# Altium PCB Gesturelink V1.PcbDoc (part 3 of 9)
Units mil, origin at the board's own origin, x right, y up, seen from the top; angles counter-clockwise.
Board outline 1574.8 x 1377.95 mil, 12 copper layers (SIG_1, GND_1, HI_SPEED_SIG_1, HI_SPEED_SIG_2, GND_2, PWR_1, PWR_2, GND_3, SIG_2, SIG_3, GND, SIG_4), stack 76.312 mil thick; 506 components, 440 nets, 2250 pads, 1330 vias.
Unrouted connection lines stored in the file: 20.
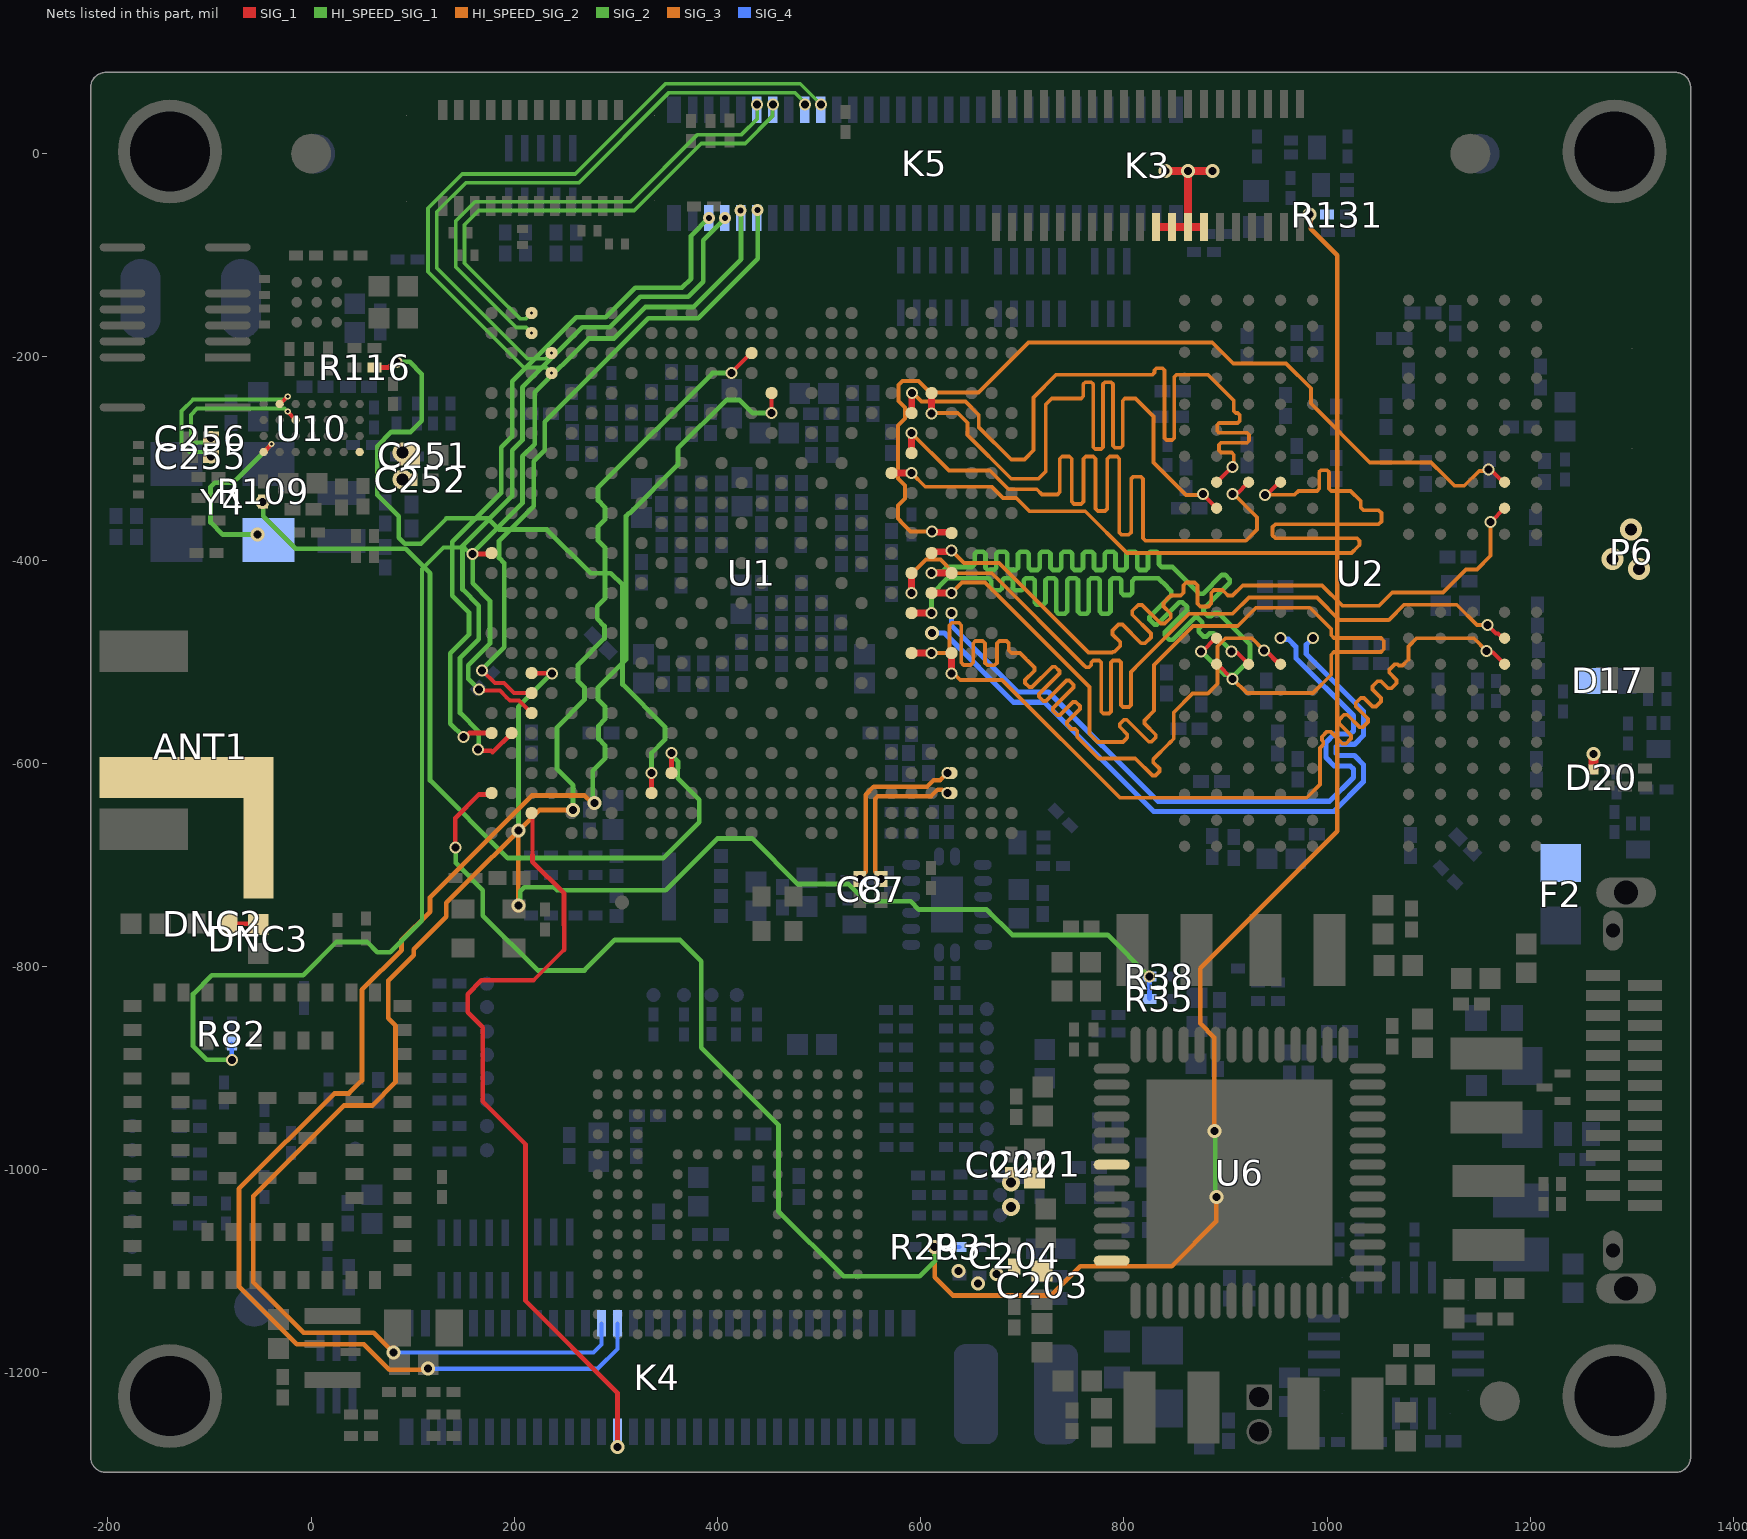
[diagram p13: the nets of this part, all layers, seen from the top]

## Footprints (in the part's own frame and the unit in brackets; to place one, negate y for a bottom-side part, rotate by r counter-clockwise, add the part's x,y. Pads: shape width x height; smd on the part's side, far side on the other; paste and mask are expansions set on the pad) (continued)
STM32MP257FAK3 [mm]
  round 0.31 smd: A1(-6.5,6.5) A2(-6,6.5) A3(-5.5,6.5) A6(-4,6.5) A7(-3.5,6.5) A10(-2,6.5) A11(-1.5,6.5) A14(0,6.5) A15(0.5,6.5) A18(2,6.5) A19(2.5,6.5) A22(4,6.5) A23(4.5,6.5) A26(6,6.5) A27(6.5,6.5) AA1(-6.5,-3.5) AA2(-6,-3.5) AA3(-5.5,-3.5) AA5(-4.5,-3.5) AA7(-3.5,-3.5) AA9(-2.5,-3.5) AA11(-1.5,-3.5) AA13(-0.5,-3.5) AA15(0.5,-3.5) AA17(1.5,-3.5) AA19(2.5,-3.5) AA21(3.5,-3.5) AA23(4.5,-3.5) AA25(5.5,-3.5) AA26(6,-3.5) AAA1(-2.75,2.75) AAA3(-1.75,2.75) AAA5(-0.75,2.75) AAA7(0.25,2.75) AAA9(1.25,2.75) AAA11(2.25,2.75) AAB2(-2.25,2.25) AAB4(-1.25,2.25) AAB6(-0.25,2.25) AAB8(0.75,2.25) AAB10(1.75,2.25) AAB12(2.75,2.25) AAC1(-2.75,1.75) AAC3(-1.75,1.75) AAC5(-0.75,1.75) AAC7(0.25,1.75) AAC9(1.25,1.75) AAC11(2.25,1.75) AAD2(-2.25,1.25) AAD4(-1.25,1.25) AAD6(-0.25,1.25) AAD8(0.75,1.25) AAD10(1.75,1.25) AAD12(2.75,1.25) AAE1(-2.75,0.75) AAE3(-1.75,0.75) AAE5(-0.75,0.75) AAE7(0.25,0.75) AAE9(1.25,0.75) AAE11(2.25,0.75) AAF2(-2.25,0.25) AAF4(-1.25,0.25) AAF6(-0.25,0.25) AAF8(0.75,0.25) AAF10(1.75,0.25) AAF12(2.75,0.25) AAG1(-2.75,-0.25) AAG3(-1.75,-0.25) AAG5(-0.75,-0.25) AAG7(0.25,-0.25) AAG9(1.25,-0.25) AAG11(2.25,-0.25) AAH2(-2.25,-0.75) AAH4(-1.25,-0.75) AAH6(-0.25,-0.75) AAH8(0.75,-0.75) AAH10(1.75,-0.75) AAH12(2.75,-0.75) AAJ1(-2.75,-1.25) AAJ3(-1.75,-1.25) AAJ5(-0.75,-1.25) AAJ7(0.25,-1.25) AAJ9(1.25,-1.25) AAJ11(2.25,-1.25) AAK2(-2.25,-1.75) AAK4(-1.25,-1.75) AAK6(-0.25,-1.75) AAK8(0.75,-1.75) AAK10(1.75,-1.75) AAK12(2.75,-1.75) AAL1(-2.75,-2.25) AAL3(-1.75,-2.25) AAL5(-0.75,-2.25) AAL7(0.25,-2.25) AAL9(1.25,-2.25) AAL11(2.25,-2.25) AAM2(-2.25,-2.75) AAM4(-1.25,-2.75) AAM6(-0.25,-2.75) AAM8(0.75,-2.75) AAM10(1.75,-2.75) AAM12(2.75,-2.75) AB1(-6.5,-4) AB2(-6,-4) AB3(-5.5,-4) AB4(-5,-4) AB6(-4,-4) AB8(-3,-4) AB10(-2,-4) AB12(-1,-4) AB14(0,-4) AB16(1,-4) AB18(2,-4) AB20(3,-4) AB22(4,-4) AB24(5,-4) AB25(5.5,-4) AB26(6,-4) AB27(6.5,-4) AC2(-6,-4.5) AC3(-5.5,-4.5) AC5(-4.5,-4.5) AC7(-3.5,-4.5) AC9(-2.5,-4.5) AC11(-1.5,-4.5) AC13(-0.5,-4.5) AC15(0.5,-4.5) AC17(1.5,-4.5) AC19(2.5,-4.5) AC21(3.5,-4.5) AC23(4.5,-4.5) AC25(5.5,-4.5) AC26(6,-4.5) AC27(6.5,-4.5) AD3(-5.5,-5) AD4(-5,-5) AD6(-4,-5) AD8(-3,-5) AD10(-2,-5) AD12(-1,-5) AD14(0,-5) AD16(1,-5) AD18(2,-5) AD20(3,-5) AD22(4,-5) AD24(5,-5) AD25(5.5,-5) AE1(-6.5,-5.5) AE2(-6,-5.5) AE3(-5.5,-5.5) AE4(-5,-5.5) AE5(-4.5,-5.5) AE6(-4,-5.5) AE7(-3.5,-5.5) AE8(-3,-5.5) AE9(-2.5,-5.5) AE10(-2,-5.5) AE11(-1.5,-5.5) AE12(-1,-5.5) AE13(-0.5,-5.5) AE14(0,-5.5) AE15(0.5,-5.5) AE16(1,-5.5) AE17(1.5,-5.5) AE18(2,-5.5) AE19(2.5,-5.5) AE20(3,-5.5) AE21(3.5,-5.5) AE22(4,-5.5) AE23(4.5,-5.5) AE24(5,-5.5) AE25(5.5,-5.5) AE26(6,-5.5) AF1(-6.5,-6) AF2(-6,-6) AF3(-5.5,-6) AF5(-4.5,-6) AF6(-4,-6) AF7(-3.5,-6) AF9(-2.5,-6) AF10(-2,-6) AF11(-1.5,-6) AF13(-0.5,-6) AF14(0,-6) AF15(0.5,-6) AF17(1.5,-6) AF18(2,-6) AF19(2.5,-6) AF21(3.5,-6) AF22(4,-6) AF23(4.5,-6) AF25(5.5,-6) AF26(6,-6) AF27(6.5,-6) AG1(-6.5,-6.5) AG2(-6,-6.5) AG5(-4.5,-6.5) AG6(-4,-6.5) AG9(-2.5,-6.5) AG10(-2,-6.5) AG13(-0.5,-6.5) AG14(0,-6.5) AG17(1.5,-6.5) AG18(2,-6.5) AG21(3.5,-6.5) AG22(4,-6.5) AG25(5.5,-6.5) AG26(6,-6.5) AG27(6.5,-6.5) B1(-6.5,6) B2(-6,6) B3(-5.5,6) B5(-4.5,6) B6(-4,6) B7(-3.5,6) B9(-2.5,6) B10(-2,6) B11(-1.5,6) B13(-0.5,6) B14(0,6) B15(0.5,6) B17(1.5,6) B18(2,6) B19(2.5,6) B21(3.5,6) B22(4,6) B23(4.5,6) B25(5.5,6) B26(6,6) B27(6.5,6) C2(-6,5.5) C3(-5.5,5.5) C4(-5,5.5) C5(-4.5,5.5) C6(-4,5.5) C7(-3.5,5.5) C8(-3,5.5) C9(-2.5,5.5) C10(-2,5.5) C11(-1.5,5.5) C12(-1,5.5) C13(-0.5,5.5) C14(0,5.5) C15(0.5,5.5) C16(1,5.5) C17(1.5,5.5) C18(2,5.5) C19(2.5,5.5) C20(3,5.5) C21(3.5,5.5) C22(4,5.5) C23(4.5,5.5) C24(5,5.5) C25(5.5,5.5) C26(6,5.5) C27(6.5,5.5) D3(-5.5,5) D4(-5,5) D6(-4,5) D8(-3,5) D10(-2,5) D12(-1,5) D14(0,5) D16(1,5) D18(2,5) D20(3,5) D22(4,5) D24(5,5) D25(5.5,5) E1(-6.5,4.5) E2(-6,4.5) E3(-5.5,4.5) E5(-4.5,4.5) E7(-3.5,4.5) E9(-2.5,4.5) E11(-1.5,4.5) E13(-0.5,4.5) E15(0.5,4.5) E17(1.5,4.5) E19(2.5,4.5) E21(3.5,4.5) E23(4.5,4.5) E25(5.5,4.5) E26(6,4.5) F1(-6.5,4) F2(-6,4) F3(-5.5,4) F4(-5,4) F6(-4,4) F8(-3,4) F10(-2,4) F12(-1,4) F14(0,4) F16(1,4) F18(2,4) F20(3,4) F22(4,4) F24(5,4) F25(5.5,4) F26(6,4) F27(6.5,4) G2(-6,3.5) G3(-5.5,3.5) G5(-4.5,3.5) G7(-3.5,3.5) G9(-2.5,3.5) G11(-1.5,3.5) G13(-0.5,3.5) G15(0.5,3.5) G17(1.5,3.5) G19(2.5,3.5) G21(3.5,3.5) G23(4.5,3.5) G25(5.5,3.5) G26(6,3.5) G27(6.5,3.5) H3(-5.5,3) H4(-5,3) H6(-4,3) H22(4,3) H24(5,3) H25(5.5,3) J1(-6.5,2.5) J2(-6,2.5) J3(-5.5,2.5) J5(-4.5,2.5) J7(-3.5,2.5) J21(3.5,2.5) J23(4.5,2.5) J25(5.5,2.5) J26(6,2.5) K1(-6.5,2) K2(-6,2) K3(-5.5,2) K4(-5,2) K6(-4,2) K22(4,2) K24(5,2) K25(5.5,2) K26(6,2) K27(6.5,2) L2(-6,1.5) L3(-5.5,1.5) L5(-4.5,1.5) L7(-3.5,1.5) L21(3.5,1.5) L23(4.5,1.5) L25(5.5,1.5) L26(6,1.5) L27(6.5,1.5) M3(-5.5,1) M4(-5,1) M6(-4,1) M22(4,1) M24(5,1) M25(5.5,1) N1(-6.5,0.5) N2(-6,0.5) N3(-5.5,0.5) N5(-4.5,0.5) N7(-3.5,0.5) N21(3.5,0.5) N23(4.5,0.5) N25(5.5,0.5) N26(6,0.5) P1(-6.5,0) P2(-6,0) P3(-5.5,0) P4(-5,0) P6(-4,0) P22(4,0) P24(5,0) P25(5.5,0) P26(6,0) P27(6.5,0) R2(-6,-0.5) R3(-5.5,-0.5) R5(-4.5,-0.5) R7(-3.5,-0.5) R21(3.5,-0.5) R23(4.5,-0.5) R25(5.5,-0.5) R26(6,-0.5) R27(6.5,-0.5) T3(-5.5,-1) T4(-5,-1) T6(-4,-1) T22(4,-1) T24(5,-1) T25(5.5,-1) U1(-6.5,-1.5) U2(-6,-1.5) U3(-5.5,-1.5) U5(-4.5,-1.5) U7(-3.5,-1.5) U21(3.5,-1.5) U23(4.5,-1.5) U25(5.5,-1.5) U26(6,-1.5) V1(-6.5,-2) V2(-6,-2) V3(-5.5,-2) V4(-5,-2) V6(-4,-2) V22(4,-2) V24(5,-2) V25(5.5,-2) V26(6,-2) V27(6.5,-2) W2(-6,-2.5) W3(-5.5,-2.5) W5(-4.5,-2.5) W7(-3.5,-2.5) W21(3.5,-2.5) W23(4.5,-2.5) W25(5.5,-2.5) W26(6,-2.5) W27(6.5,-2.5) Y3(-5.5,-3) Y4(-5,-3) Y6(-4,-3) Y22(4,-3) Y24(5,-3) Y25(5.5,-3)
  silkscreen extent -7.6,-7 7,7, body extent -7,-7 7,7, height 1.16
STSAFE-A110 [mm] "SON, 8-Leads, Body 2.00x3.00mm, Pitch 0.50mm, Thermal Pad 0.00x0.00mm, IPC Medium Density"
  rect 0.35x0.35 smd: 1(-1.303,0.75) 2(-1.303,0.25) 3(-1.303,-0.25) 4(-1.303,-0.75) 5(1.303,-0.75) 6(1.303,-0.25) 7(1.303,0.25) 8(1.303,0.75)
  rect 0.35x1.7 smd: 9(-0.008,-0.012)
  silkscreen extent -2.11,1.21 -2.01,1.31, body extent -1.55,-1.05 1.55,1.05, height 0.6
"Test Point"#1 [mil]
  round 14 smd: 12(0,0)
"Test Point"#2 [mil]
  round 14 smd: 12(0,2)
"Test Point"#3 [mil]
  round 14 smd: 12(0,-1)
"Test Point"#4 [mil]
  round 14 smd: 12(0,1)
"Test Point"#5 [mil]
  round 14 smd far side: 12(-60,-120)
XTAL_CM9V-T1A-32.768KHZ-12.5PF-20PPM-TA-QC [mm]
  rect 0.6x1.2 smd: 1(-0.6,0) 2(0.6,0)
  body extent -0.83,-0.5 0.77,0.5, height 0.5
YXT_BB10_24S_02 [mm] "Connector 24 pins, Body 0.4mmP, IPC Medium Density"
  rect 0.23x0.5 smd: 1(4.4,2.4) 3(4,2.4) 4(4,0) 5(3.6,2.4) 6(3.6,0) 7(3.2,2.4) 8(3.2,0) 9(2.8,2.4) 10(2.8,0) 11(2.4,2.4) 12(2.4,0) 13(2,2.4) 14(2,0) 15(1.6,2.4) 16(1.6,0) 17(1.2,2.4) 18(1.2,0) 19(0.8,2.4) 20(0.8,0) 21(0.4,2.4) 22(0.4,0) 23(0.003,2.4) 24(0.003,0) \(4.4,0)
  round 0.025 smd: 25(-0.9,2.26) 25(-0.9,0.14) 25(5.3,0.14) 25(5.3,2.286)
  SIG_1 region: 5.75,1.826 4.85,1.826 4.85,2.746 5.453,2.746 5.75,2.449
  SIG_1 region: 4.84,-0.31 4.84,0.59 5.76,0.59 5.76,-0.013 5.463,-0.31
  SIG_1 region: -0.44,2.71 -0.44,1.81 -1.36,1.81 -1.36,2.413 -1.063,2.71
  SIG_1 region: -1.35,0.6 -0.45,0.6 -0.45,-0.32 -1.053,-0.32 -1.35,-0.023
  body extent -1.45,-0.1 5.85,2.5, height 0.8
YZR0009ADAD [mm] "Micro SMD, 9-Leads, Body 1.52x1.52mm, Pitch 0.5mm, NSC Recommended"
  round 0.265 smd paste-0.132 mask+0.05: A1(-0.5,0.5) A2(0,0.5) A3(0.5,0.5) B1(-0.5,0) B2(0,0) B3(0.5,0) C1(-0.5,-0.5) C2(0,-0.5) C3(0.5,-0.5)
  silkscreen extent -0.91,0.81 -0.81,0.91, body extent -0.75,-0.75 0.75,0.75, height 0.68

## Part data
ANT1: "RF ANTENNA WLAN Chip Solder Surface Mount"
C1 C2: "16 pF ±1% 50V Ceramic Capacitor C0G, NP0 0201 (0603 Metric)", ComponentLink1Description="New link", ComponentLink1URL=https://www.digikey.com.au/en/products/detail/murata-electronics/GCM0335C1H160FA16D/17844782
C3 C4: "20 pF ±1% 25V Ceramic Capacitor C0G, NP0 0201 (0603 Metric)", ComponentLink1Description="New link", ComponentLink1URL=https://www.digikey.com.au/en/products/detail/murata-electronics/GJM0335C1E200FB01D/10702837
C7 C8 C15 C17 C18 C19 C20 C22 C23 C24 C25 C26 C27 C28 C29 C30 C32 C33 C34 C35 C36 C38 C39 C40 C41 C42 C43 C44 C45 C46 C50 C51 C52 C53 C54 C55 C56 C57 C59 C60 C61 C64 C65 C70 C72 C73 C74 C75 C76 C77 C78 C79 C80 C81 C82 C85 C87 C88 C89 C90 C91 C94 C95 C96 C98 C99 C100 C101 C102 C103 C104 C105 C106 C107 C108 C109 C110 C111 C112 C113 C114 C115 C116 C117 C118 C119 C120 C121 C122 C123 C124 C125 C127 C128 C129 C130 C131 C132 C133 C134 C136 C138 C139 C140 C141 C142 C143 C144 C145 C146 C147 C148 C149 C150 C151 C152 C159 C161 C163 C165 C167 C169 C171 C173 C175 C177 C179 C183 C186 C189 C192 C195 C198 C200 C202 C204 C206 C208 C217 C218 C219 C220 C222 C223 C224 C225 C228 C229 C231 C233 C244 C247 C248 C250 C252 C253 C258 C259 C260 C261 C262 C264 C266 C271 C277: library part GRM033R61E104KE14J, "0.1 µF ±10% 25V Ceramic Capacitor X5R 0201 (0603 Metric)0.1 µF ±10% 25V Ceramic Capacitor X5R 0201 (0603 Metric)"
  C7 C8 C152 C159 C161 C163 C165 C167 C169 C171 C173 C175 C177 C179 C183 C186 C189 C192 C195 C198 C200 C202 C204 C206 C208 C244 C247 C248 C250 C252 C253 C258 C259 C260 C261 C262 C264 C271 C277: ComponentLink1Description="New link", ComponentLink1URL=https://www.digikey.com.au/en/products/detail/murata-electronics/GRM033R61E104KE14J/4904732?s=N4IgTCBcDaIOICUCyAGAzGhA2AjAURxQBYBpAogKRAF0BfIA
  C15 C17 C18 C19 C20 C22 C23 C24 C25 C26 C27 C28 C29 C30 C32 C33 C34 C35 C36 C38 C39 C40 C41 C42 C43 C44 C45 C46 C50 C51 C52 C53 C54 C55 C56 C57 C59 C60 C61 C64 C65 C70 C72 C73 C74 C75 C76 C77 C78 C79 C80 C81 C82 C85 C87 C88 C89 C90 C91 C94 C95 C96: Parameter 1="MPU CAPS"
C21 C31 C37 C48 C58 C67 C83 C86 C93 C97 C126 C135 C153 C172 C207 C211 C216 C221 C226 C227 C230 C263 C265 C270 C272 C276: library part CL05A475MO5NUNC, "4.7 µF ±20% 16V Ceramic Capacitor X5R 0402 (1005 Metric)"
  C21 C31 C37 C48 C58 C67 C83 C86 C93 C270: Parameter 1="MPU CAPS"
C154: "2.2 µF ±10% 10V Ceramic Capacitor X5R 0201 (0603 Metric)", ComponentLink1Description="New link", ComponentLink1URL=https://www.digikey.com.au/en/products/detail/murata-electronics/GRM033R61A225KE47D/5877390
C160 C162 C164 C166 C168 C170 C199 C201 C203 C205 C232 C245 C249 C251 C254 C274 C275: "10 µF ±20% 10V Ceramic Capacitor X5R 0402 (1005 Metric)"
  C160 C162 C164 C166 C168 C170 C199 C201 C203 C205 C232 C245 C249 C251 C254: ComponentLink1Description="New link", ComponentLink1URL=https://www.digikey.com.au/en/products/detail/murata-electronics/GRT155R61A106ME13J/19115510
  C274 C275: Supplier 1="Arrow Electronics", Supplier Part Number 1=GRM155R61A106ME11D
C174 C176 C178 C180 C246 C257 C300: "1 µF ±20% 16V Ceramic Capacitor X5R 0201 (0603 Metric)", ComponentLink1Description="New link", ComponentLink1URL=https://www.digikey.com.au/en/products/detail/murata-electronics/GRM033R61C105ME15D/10326307
C181 C182 C184 C185 C187 C188 C190 C191 C193 C194 C196 C197: "22uH 0402", ComponentLink1Description="New link", ComponentLink1URL=https://www.digikey.com.au/en/products/detail/murata-electronics/GRM158R61A226ME15D/16033379
C234 C239: "0.39 µF ±10% 10V Ceramic Capacitor X5R 0402 (1005 Metric)", ComponentLink1Description="New link", ComponentLink1URL=https://www.digikey.com.au/en/products/detail/yageo/CC0402KRX5R6BB394/20376267
C255 C256: "0.018 µF ±10% 16V Ceramic Capacitor X5R 0201 (0603 Metric)", ComponentLink1Description="New link", ComponentLink1URL=https://www.digikey.com.au/en/products/detail/murata-electronics/GRM033R61C183KE84D/5027499
C273: "0.047 µF ±10% 16V Ceramic Capacitor X5R 0201 (0603 Metric)", Supplier Part Number 1=490-GRT033R61C473KE01JCT-ND, Supplier 1=DigiKey
D1: "Zener Diode 15 V 300 mW ±2% Surface Mount DFN1006-2A", ComponentLink1Description="New link", ComponentLink1URL=https://www.digikey.com.au/en/products/detail/vishay-general-semiconductor-diodes-division/BZX884B15L-G3-08/14312748
D2 D3 D4 D5 D10 D11 D12 D13 D14: library part CMP-14436-000004-1, "TVS DIODE 5V 5V DSN0603-2", Ambient Temperature Range High=+125°C, Ambient Temperature Range Low=-40°C, Breakdown Voltage=6V, Capacitance=0.15pF, Clamping Voltage=6.3V, Manufacturer=Nexperia, Max Junction Temp=+150°C, Package=SOD962-2, Peak Pulse Current=7A, Reverse Standoff Voltage=5V, Temperature="to +150°C", Automotive=No, Category=Diode, ComponentLink2Description=Datasheet, ComponentLink2URL=https://assets.nexperia.com/documents/data-sheet/PESD5V0H1BSF.pdf, Device Class L1="Circuit Protection", Device Class L2="TVS Diodes", Device Class L3=unset, Digikey Description="TVS DIODE 5V 5V DSN0603-2", Direction=Bidirectional, Footprint Url=https://assets.nexperia.com/documents/outline-drawing/SOD962-2.pdf, Height=0.32mm, Lead Free=Yes, Manufacturer Part Number=PESD5V0H1BSFYL, Number of Channels=1, Octopart=https://octopart.com/pesd5v0h1bsfyl-nexperia-78741149, RoHS=TRUE, Temperature Range High=+150°C
D15 D17 D18 D23 D30: "8V Clamp 20A (8/20µs) Ipp Tvs Diode Surface Mount 2-DFN (1x0.6)", ComponentLink1Description="New link", ComponentLink1URL=https://www.digikey.com.au/en/products/detail/semtech-corporation/RCLAMP04041PW-C/21379403
D20: "Green, Red 525nm Green, 624nm Red LED Indication - Discrete 2.85V Green, 1.95V Red 4-SMD, No Lead", ComponentLink1Description="New link", ComponentLink1URL=https://www.digikey.com/en/products/detail/kingbright/APGB0607G22R23C/22561020
D21: "TVS Diode (Bi-directional)", Manufacturer_Name=SEMTECH, Mouser Part Number=947-RCLAMP3552TQTNT, Arrow Part Number=RCLAMP3552TQTNT, Arrow Price/Stock=https://www.arrow.com/en/products/rclamp3552tqtnt/semtech?utm_currency=USD&region=nac, Datasheet Link=https://semtech.my.salesforce.com/sfc/p/#E0000000JelG/a/2R000000UohO/V4d3xrkq_aAf9cXb8fvHnUsEIcun.v6swlyE.QX6HEE, Height=0.43mm, Manufacturer_Part_Number=RCLAMP3552TQTNT, Mouser Price/Stock=https://www.mouser.co.uk/ProductDetail/Semtech/RCLAMP3552TQTNT?qs=gTYE2QTfZfQzabe3OC25DQ%3D%3D
DNC DNC_4 DNC_5 DNC_6 R89 R118 R119 R131 R132: "0 Ohms Jumper Chip Resistor 0201 (0603 Metric) Thick Film", ComponentLink1Description="New link", ComponentLink1URL=https://www.digikey.com.au/en/products/detail/panasonic-electronic-components/ERJ-1GN0R00C/3982613
DNC1 DNC3: "Pi filter chip antenna, Do not connect!"
DNC2: "Inductor for PI filter, DNC"
DNC20 R65: "0 Ohms Jumper Chip Resistor 0402 (1005 Metric) Automotive AEC-Q200, Pulse Withstanding Thick Film", ComponentLink1Description="New link", ComponentLink1URL=https://www.digikey.com.au/en/products/detail/vishay-dale/CRCW04020000Z0EDHP/2222496
F1 F2 F3: "Polymeric PTC Resettable Fuse 6V 1.5 A Ih Surface Mount 0603 (1608 Metric), Concave", Package="0603-2 LITTELFUSE", Check_prices=https://www.snapeda.com/parts/0603L150SLYR/Littelfuse/view-part/?ref=eda, ComponentLink1Description="New link", ComponentLink1URL=https://www.digikey.com.au/en/products/detail/littelfuse-inc/0603L150SLYR/3429591, MF="Littelfuse Inc.", MP=0603L150SLYR, SnapEDA_Link=https://www.snapeda.com/parts/0603L150SLYR/Littelfuse/view-part/?ref=snap
K1: "PAD on PCB representing power input for embedded LiPo battery."
K2: "10 Position Connector Plug, Outer Shroud Contacts Surface Mount Gold", Supplier Part Number 1=H11616CT-ND, ComponentLink1Description="New link", ComponentLink1URL=https://www.digikey.com.au/en/products/detail/hirose-electric-co-ltd/DF40C-10DP-0-4V-51/1969496, Supplier 1=Digikey
K3: "40 Position Connector Receptacle, Center Strip Contacts Surface Mount Gold", Supplier Part Number 1=DF40C-40DS-0.4V(51), Supplier 1=Avnet
K4 K5: "60 Position Connector Plug, Outer Shroud Contacts Surface Mount Gold", Package=None, Availability="In Stock", Check_prices=https://www.snapeda.com/parts/DF40C-60DP-0.4V(51)/Hirose+Electric+Co+Ltd/view-part/?ref=eda, MF="Hirose Electric", MP=DF40C-60DP-0.4V(51), Price=None, Purchase-URL=https://pricing.snapeda.com/search/part/DF40C-60DP-0.4V(51)/?ref=eda, SnapEDA_Link=https://www.snapeda.com/parts/DF40C-60DP-0.4V(51)/Hirose+Electric+Co+Ltd/view-part/?ref=snap
K6: "P=0.4mm Wire To Board / Wire To Wire Connector RoHS -> 24 pin"
K7: "USB-C (USB TYPE-C) USB 3.2 Gen 2 (USB 3.1 Gen 2, Superspeed + (USB 3.1)) Receptacle Connector 24 Position Board Edge, Surface Mount, Right Angle", Package=None, Check_prices=https://www.snapeda.com/parts/DX07W024JA1R1000/JAE+Electronics/view-part/?ref=eda, ComponentLink1Description="New link", ComponentLink1URL=https://www.digikey.com.au/en/products/detail/jae-electronics/DX07W024JA1R1000/9646471, MF="JAE Electronics", MP=DX07W024JA1R1000, SnapEDA_Link=https://www.snapeda.com/parts/DX07W024JA1R1000/JAE+Electronics/view-part/?ref=snap
L1 L2 L5 L6: library part DFE201610E-R68M=P2, "DFE201610E-R68M=P", Arrow Part Number=DFE201610E-R68M=P2, Manufacturer_Name="Murata Electronics", Mouser Part Number=81-DFE201610E-R68MP2, Arrow Price/Stock=https://www.arrow.com/en/products/dfe201610e-r68mp2/murata-manufacturing?region=nac, Datasheet Link=https://search.murata.co.jp/Ceramy/image/img/P02/J(E)TE243A-0001.pdf, Height=1mm, Manufacturer_Part_Number=DFE201610E-R68M=P2, Mouser Price/Stock=https://www.mouser.co.uk/ProductDetail/Murata-Electronics/DFE201610E-R68M%3dP2?qs=AQlKX63v8RudjlTUxbAxDg%3D%3D
L3 L4: library part DFE201610E-2R2M=P2, "Inductor", Arrow Part Number=DFE201610E-2R2M=P2, Manufacturer_Name="Murata Electronics", Mouser Part Number=81-DFE201610E-2R2MP2, Arrow Price/Stock=https://www.arrow.com/en/products/dfe201610e-2r2mp2/murata-manufacturing?utm_currency=USD&region=nac, Datasheet Link=https://search.murata.co.jp/Ceramy/image/img/P02/J(E)TE243A-0001.pdf, Height=1mm, Manufacturer_Part_Number=DFE201610E-2R2M=P2, Mouser Price/Stock=https://www.mouser.co.uk/ProductDetail/Murata-Electronics/DFE201610E-2R2M%3dP2?qs=AQlKX63v8Rv49b3hcvXgWQ%3D%3D
L10: "2.2 µH Shielded Multilayer Inductor 1.05 A 250mOhm Max 0603 (1608 Metric)", ComponentLink1Description="New link", ComponentLink1URL=https://www.digikey.com.au/en/products/detail/murata-electronics/LQM18PN2R2MGHD/6606107
L11: "1 µH Shielded Inductor 3.2 A 55mOhm Max 0805 (2012 Metric)", Supplier Part Number 1=541-IHHP0805ZHER1R0M01CT-ND, Supplier 1=DigiKey
NTC1: "NTC Thermistor 10k Bead, Glass", Supplier Part Number 1=495-5054-ND, Supplier 1=DigiKey
P1 P2: "Contact Spring Surface Mount"
Q1 Q2 Q3 Q4 Q5 Q6: "N-Channel 30 V 100mA (Ta) 100mW (Ta) Surface Mount CST3", ComponentLink1Description="New link", ComponentLink1URL=https://www.digikey.com.au/en/products/detail/toshiba-semiconductor-and-storage/SSM3K15ACT-L3F/5298026
R1 R2: "1 MOhms ±1% 0.05W, 1/20W Chip Resistor 0201 (0603 Metric) Thick Film", ComponentLink1Description="New link", ComponentLink1URL=https://www.digikey.com.au/en/products/detail/panasonic-electronic-components/ERJ-1GNF1004C/2036455
R3 R15 R21 R22 R28 R29 R38 R39 R40 R44 R45 R46 R47 R48 R49 R50 R51 R52 R66 R67 R68 R90 R92 R93 R94 R106 R107 R120 R121 R122 R123 R125 R130 R138 R139 R140 R144: "10 kOhms ±1% 0.05W, 1/20W Chip Resistor 0201 (0603 Metric) Thick Film", ComponentLink1Description="New link", ComponentLink1URL=https://www.digikey.com.au/en/products/detail/panasonic-electronic-components/ERJ-1GNF1002C/2036226
R4 R157: "200 Ohms ±0.1% 0.05W, 1/20W Chip Resistor 0201 (0603 Metric) Automotive AEC-Q200 Thin Film", ComponentLink1Description="New link", ComponentLink1URL=https://www.digikey.com.au/en/products/detail/panasonic-electronic-components/ERA-1AEB201C/5035575
R5 R7: "2.49 kOhms ±1% 0.05W, 1/20W Chip Resistor 0201 (0603 Metric) Thick Film", ComponentLink1Description="New link", ComponentLink1URL=https://www.digikey.com.au/en/products/detail/panasonic-electronic-components/ERJ-1GNF2491C/2036155
R8 R9 R10 R128 R151 R153 R156 R159 R161 R162 R164: "100 kOhms ±1% 0.05W, 1/20W Chip Resistor 0201 (0603 Metric) Thick Film", ComponentLink1Description="New link", ComponentLink1URL=https://www.digikey.com.au/en/products/detail/panasonic-electronic-components/ERJ-1GNF1003C/2036340
R13 R14 R26 R27 R145 R146 R169 R170: "2.2 kOhms ±1% 0.05W, 1/20W Chip Resistor 0201 (0603 Metric) Moisture Resistant Thick Film"
R16 R17 R18 R19 R20 R30 R31 R32 R33 R34 R35 R36 R37 R53 R54 R55 R56 R57 R58 R59 R60 R61 R62 R63 R64 R73 R74 R75 R76 R77 R78 R79 R80 R82 R83 R84 R85 R86 R87 R88 R103 R104 R105 R109 R110 R111 R112 R113 R114 R115 R116 R133 R134 R135 R136 R137 R141 R142 R143 R168 R185: "33 Ohms ±1% 0.05W, 1/20W Chip Resistor 0201 (0603 Metric) Thick Film", ComponentLink1Description="New link", ComponentLink1URL=https://www.digikey.com.au/en/products/detail/panasonic-electronic-components/ERJ-1GNF33R0C/2035941
R69 R70 R71 R72: "47 kOhms ±1% 0.05W, 1/20W Chip Resistor 0201 (0603 Metric) Automotive AEC-Q200, Moisture Resistant Thick Film", ComponentLink1Description="New link", ComponentLink1URL=https://www.digikey.com.au/en/products/detail/yageo/AC0201FR-0747KL/5894664
R91: "4.75 kOhms ±1% 0.05W, 1/20W Chip Resistor 0201 (0603 Metric) Automotive AEC-Q200, Moisture Resistant Thick Film", ComponentLink1Description="New link", ComponentLink1URL=https://www.digikey.com.au/en/products/detail/yageo/AC0201FR-074K75L/5894685
R129 R152 R154 R155 R158 R160 R165 R166: "1 kOhms ±1% 0.05W, 1/20W Chip Resistor 0201 (0603 Metric) Thick Film"
R147 R150: "5.1 kOhms ±1% 0.05W, 1/20W Chip Resistor 0201 (0603 Metric) Thick Film", ComponentLink1Description="New link", ComponentLink1URL=https://www.digikey.com.au/en/products/detail/panasonic-electronic-components/ERJ-1GNF5101C/2036192
R148 R149: "33 Ohms ±1% 0.05W, 1/20W Chip Resistor 0201 (0603 Metric) Thick Film", Supplier Part Number 1=667-ERJ-1GNF33R0C, ComponentLink1Description="New link", ComponentLink1URL=https://www.digikey.com.au/en/products/detail/panasonic-electronic-components/ERJ-1GNF33R0C/2035941, Supplier 1=Mouser
R171 R172: "0 Ohms Jumper Chip Resistor 0201 (0603 Metric) Thick Film", Supplier Part Number 1=667-ERJ-1GN0R00C, ComponentLink1Description="New link", ComponentLink1URL=https://www.digikey.com.au/en/products/detail/panasonic-electronic-components/ERJ-1GN0R00C/3982613, Supplier 1=Mouser
R173: "200 kOhms ±1% 0.05W, 1/20W Chip Resistor 0201 (0603 Metric) Moisture Resistant Thick Film", Supplier Part Number 1=YAG2275CT-ND, Supplier 1=DigiKey
R174: "12.1 kOhms ±1% 0.05W, 1/20W Chip Resistor 0201 (0603 Metric) Automotive AEC-Q200 Thick Film", Supplier Part Number 1=2019-RK73H1HTTC1212FCT-ND, Supplier 1=DigiKey
R175: "3.32 kOhms ±1% 0.05W, 1/20W Chip Resistor 0201 (0603 Metric) Thick Film", Supplier 1="Arrow Electronics", Supplier Part Number 1=ERJ-1GNF3321C
U1: "Integrated Circuit", Manufacturer_Name=STMicroelectronics, Mouser Part Number=511-STM32MP257FAK3, Arrow Part Number=STM32MP257FAK3, Arrow Price/Stock=https://www.arrow.com/en/products/stm32mp257fak3/stmicroelectronics?utm_currency=USD&region=nac, Datasheet Link=https://www.digikey.ph/en/products/detail/stmicroelectronics/STM32MP257FAK3/24883094, Height=1mm, Manufacturer_Part_Number=STM32MP257FAK3, Mouser Price/Stock=https://www.mouser.co.uk/ProductDetail/STMicroelectronics/STM32MP257FAK3?qs=i8QVZAFTkqQulHX8Hxkfng%3D%3D, Supplier 1="Arrow Electronics", Supplier Part Number 1=STM32MP257FAK3
U2: "SDRAM - Mobile LPDDR4 Memory IC 64Gbit 2.133 GHz 3.5 ns 200-FBGA (10x14.5)", Package=None, Availability=Unavailable, ComponentLink1Description="New link", ComponentLink1URL=https://www.digikey.com.au/en/products/detail/kingston-technology/Q6422PM3BDGVK-U/25321958?gad_source=1&gbraid=0AAAAADrbLlj2-DufyOLmPBQqugpZCYbaj&gclid=Cj0KCQjwzrzABhD8ARIsANlSWNPtBMk-xmUbnWeTZrE8FXO4iVJvRiPTf1MXYD-jc0_9yWwB78P3EFEaAgkvEALw_wcB&gclsrc=aw.ds, MP=Q6422PM3BDGVK-U, Price=None
U3: "Single-cell battery fuel gauge with pre-programmed chemistry and integrated sense resistor", Package=None, Check_prices=https://www.snapeda.com/parts/BQ27427YZFR/Texas+Instruments/view-part/?ref=eda, MF="Texas Instruments", MP=BQ27427YZFR, SnapEDA_Link=https://www.snapeda.com/parts/BQ27427YZFR/Texas+Instruments/view-part/?ref=snap
U7: "eMMC pSLC eMMC 5.1 (HS400) 153B 64GB", ComponentLink1Description="New link", ComponentLink1URL=https://www.digikey.com.au/en/products/detail/kingston-technology/EMMC64G-TY29-5B102/23544210?srsltid=AfmBOoplT4W8nAr74tqJNFMNLtQIICeKqThZaKy8fUOfiCqFJlsEGKlk
U8: "Bluetooth, WiFi 802.11a/b/g/n/ac, Bluetooth v5.2 Transceiver Module 2.412GHz ~ 2.472GHz, 5.18GHz ~ 5.825GHz Surface Mount"
U10: "Integrated Circuit", Manufacturer_Name="Analog Devices", Datasheet Link=https://www.analog.com/ADAU1850/datasheet?ADICID=SYND_WW_P682800_PF-spglobal, Height=0.57mm, Manufacturer_Part_Number=ADAU1850BCBZRL
U11: library part CMP-0057-00216-3, "Filterless High Efficiency 1W Switching Audio Amplifier, 9-pin Micro SMD, Pb-Free", Manufacturer="Texas Instruments", PackageTopMarking="XVG*I A2", PowerWise=N, Code_JEDEC=MO-211-DD, ComponentLink1Description="Datasheet URL", ComponentLink1URL=http://www.ti.com/general/docs/lit/getliterature.tsp?genericPartNumber=LM4665&fileType=pdf, ComponentLink2Description="New link", ComponentLink2URL=https://www.digikey.com.au/en/products/detail/texas-instruments/LM4665ITL-NOPB/947582?srsltid=AfmBOooQQxw4q3qhtfItGu5hSrTxqZeWwiOQWCJ-ImR-j4MOWvtk_TuD, CompType="Audio IC", High-Reliability=Y, PackageDescription="Thin Micro SMD, 9 Bump (Large), 0.5mm Pitch", PackageReference=YZR0009ADAD, PartNumber=LM4665ITL/NOPB, PinCount=9, RoHS=Y
U12: "Authentication Chip, IoT Secure Element 8-UFDFPN (2x3)", ComponentLink1Description="New link", ComponentLink1URL=https://www.digikey.com.au/en/products/detail/stmicroelectronics/STSAFA110DFSPL02/13180776
U13: "USB Switch IC 2 Channel 16-HUQFN (1.6x2.4)", Supplier 1="Arrow Electronics", Supplier Part Number 1=CBTU02043HEJ
U20: "3A, I2C-Controlled SW Charger with NVDC Power Path and USB OTG"
U220 U300 U301 U?: "4 Line Common Mode Choke Surface Mount 100mA DCR 3Ohm (Typ)", ComponentLink1Description="New link", ComponentLink1URL=https://www.digikey.com/en/products/detail/stmicroelectronics/ECMF4-40A100N10/16379603
U221 U222 U302: "2 Line Common Mode Choke Surface Mount 100mA DCR 3Ohm (Typ)"
  U222: Supplier 1="Arrow Electronics", Supplier Part Number 1=ECMF2-40A100N6
Y1: "32.768 kHz ±20ppm Crystal 12.5pF 75 kOhms 2-SMD, No Lead", Supplier Part Number 1=2195-CM9V-T1A-32.768KHZ-12.5PF-20PPM-TA-QCCT-ND, Supplier 1=Digikey
Y2: "40 MHz ±7ppm Crystal 12pF 80 Ohms 4-SMD, No Lead"
Y3: library part CMP-25159-259659-1, "MEMS OSC XO 32.7680KHZ LVCMOS", Case/Package=SMD/SMT, Frequency=32.768kHz, Frequency Stability=75ppm, Max Operating Temperature=70°C, Max Supply Current=1.3uA, Min Operating Temperature=-10°C, Height=0.024inch, Length=0.079inch, Mount="Surface Mount", Packaging="Cut Tape", RoHS Compliant=Yes, Series=SiT1533, Width=0.047inch
Y4: "TCXO Oscillators 24.576 MHZ Multi-Volt +1.7 3.6V HCMOS TCXO +/-2.5 ppm -30 +85 C 3.2x 2.5mm RoHS", Package="ECS-TXO-3225MV-0-4 ECS", Check_prices=https://www.snapeda.com/parts/ECS-TXO-3225MV-245.7-TR/ECS/view-part/?ref=eda, ComponentLink1Description="New link", ComponentLink1URL=https://www.digikey.com.au/en/products/detail/ecs-inc/ECS-TXO-3225MV-245-7-TR/16578392?s=N4IgjCBcpgHAzFUBjKAzAhgGwM4FMAaEAeygG0QAWMABgDYAmOkAXSIAcAXKEAZU4BOASwB2AcxABfIgwDszaCFSRMuQiXIg6YeDRqsO3SH0GiJ08AE5YlpEvTZ8RUpAr6WFhmACs%2BxctUnDVcQBkoAOm95AAIAWQAJAC8DEC4eAFURIU4AeTRYvAwcAFcBPClJSSA, MF=ECS, MP=ECS-TXO-3225MV-245.7-TR, SnapEDA_Link=https://www.snapeda.com/parts/ECS-TXO-3225MV-245.7-TR/ECS/view-part/?ref=snap
R6 R11 R12: ComponentLink1Description="New link", ComponentLink1URL=https://www.digikey.com.au/en/products/detail/panasonic-electronic-components/ERJ-1GNF2400C/2036039

## Free pads (board coordinates)
  round 102.36 hole 78.74: 4(-139,-1222.97) 4(-139,2.01) 4(1283,-1222.97) 4(1283,2.01)

## Via types
v1: diameter 11.81, hole 7.87, SIG_1 to SIG_4, 316 vias
v2: diameter 13.78, hole 7.87, SIG_1 to SIG_4, 126 vias
v3: diameter 6, hole 3, SIG_1 to GND_1, 74 vias
v4: diameter 6, hole 3, GND_1 to HI_SPEED_SIG_1, 74 vias
v5: diameter 11.81, hole 7.87, SIG_1 to HI_SPEED_SIG_1, 49 vias
v6: diameter 6, hole 3, PWR_2 to GND_3, 42 vias
v7: diameter 13.78, hole 7.87, SIG_2 to SIG_4, 39 vias
v8: diameter 13.78, hole 7.87, SIG_2 to SIG_3, 37 vias
v9: diameter 11.81, hole 7.87, SIG_1 to SIG_2, 35 vias
v10: diameter 11.81, hole 7.87, SIG_1 to HI_SPEED_SIG_2, 35 vias
v11: diameter 6, hole 3, GND_2 to PWR_1, 31 vias
v12: diameter 13.78, hole 7.87, SIG_3 to SIG_4, 29 vias
v13: diameter 13.78, hole 7.87, GND to SIG_4, 27 vias
v14: diameter 13.78, hole 7.87, SIG_1 to PWR_1, 27 vias
v15: diameter 13.78, hole 7.87, SIG_1 to GND_1, 25 vias
v16: diameter 17.72, hole 9.84, SIG_1 to SIG_4, 24 vias
v17: diameter 13.78, hole 7.87, SIG_1 to PWR_2, 18 vias
v18: diameter 11.81, hole 5.91, SIG_2 to SIG_4, 18 vias
v19: diameter 6, hole 3, PWR_1 to PWR_2, 18 vias
v20: diameter 13.78, hole 7.87, HI_SPEED_SIG_2 to SIG_4, 17 vias
v21: diameter 13.78, hole 7.87, SIG_1 to SIG_2, 16 vias
v22: diameter 11.81, hole 7.87, SIG_1 to SIG_3, 16 vias
v23: diameter 21.65, hole 13.78, PWR_2 to SIG_4, 15 vias
v24: diameter 13.78, hole 7.87, PWR_1 to SIG_4, 14 vias
v25: diameter 13.78, hole 7.87, SIG_1 to HI_SPEED_SIG_1, 13 vias
v26: diameter 13.78, hole 7.87, PWR_2 to SIG_4, 10 vias
v27: diameter 11.81, hole 5.91, SIG_1 to SIG_4, 10 vias
v28: diameter 21.65, hole 13.78, SIG_1 to SIG_4, 10 vias
v29: diameter 11.81, hole 7.87, HI_SPEED_SIG_2 to SIG_4, 10 vias
v30: diameter 21.65, hole 11.81, SIG_1 to SIG_4, 9 vias
v31: diameter 13.78, hole 7.87, SIG_1 to HI_SPEED_SIG_2, 8 vias
v32: diameter 8, hole 4, GND_1 to HI_SPEED_SIG_1, 8 vias
v33: diameter 8, hole 4, SIG_1 to GND_1, 8 vias
v34: diameter 13.78, hole 7.87, HI_SPEED_SIG_2 to SIG_2, 8 vias
v35: diameter 11.81, hole 7.87, SIG_3 to SIG_4, 8 vias
v36: diameter 11.81, hole 5.91, SIG_3 to SIG_4, 7 vias
v37: diameter 13.78, hole 7.87, SIG_1 to SIG_3, 6 vias
v38: diameter 21.65, hole 13.78, SIG_1 to PWR_1, 6 vias
v39: diameter 15.75, hole 9.84, SIG_1 to SIG_4, 5 vias
v40: diameter 19.68, hole 11.81, SIG_1 to SIG_4, 5 vias
v41: diameter 11.81, hole 5.91, SIG_1 to HI_SPEED_SIG_1, 5 vias
v42: diameter 15.75, hole 9.84, HI_SPEED_SIG_1 to SIG_3, 5 vias
v43: diameter 19.68, hole 11.81, SIG_1 to PWR_1, 5 vias
v44: diameter 11.81, hole 7.87, SIG_1 to GND_1, 4 vias
v45: diameter 11.81, hole 5.91, SIG_1 to SIG_2, 4 vias
v46: diameter 11.81, hole 7.87, SIG_2 to SIG_3, 4 vias
v47: diameter 13.78, hole 7.87, HI_SPEED_SIG_1 to HI_SPEED_SIG_2, 4 vias
v48: diameter 13.78, hole 7.87, HI_SPEED_SIG_1 to SIG_2, 3 vias
v49: diameter 11.81, hole 5.91, SIG_1 to SIG_3, 3 vias
v50: diameter 13.78, hole 7.87, HI_SPEED_SIG_2 to SIG_3, 3 vias
v51: diameter 15.75, hole 9.84, SIG_1 to PWR_2, 3 vias
v52: diameter 21.65, hole 13.78, PWR_1 to SIG_4, 3 vias
v53: diameter 11.81, hole 7.87, HI_SPEED_SIG_1 to SIG_4, 3 vias
v54: diameter 11.81, hole 7.87, SIG_1 to PWR_2, 2 vias
v55: diameter 8, hole 5, SIG_1 to GND_1, 2 vias
v56: diameter 17.72, hole 9.84, SIG_1 to PWR_2, 2 vias
v57: diameter 23.62, hole 15.75, SIG_1 to SIG_4, 2 vias